# KiCad board B3_panel.kicad_pcb (continued)
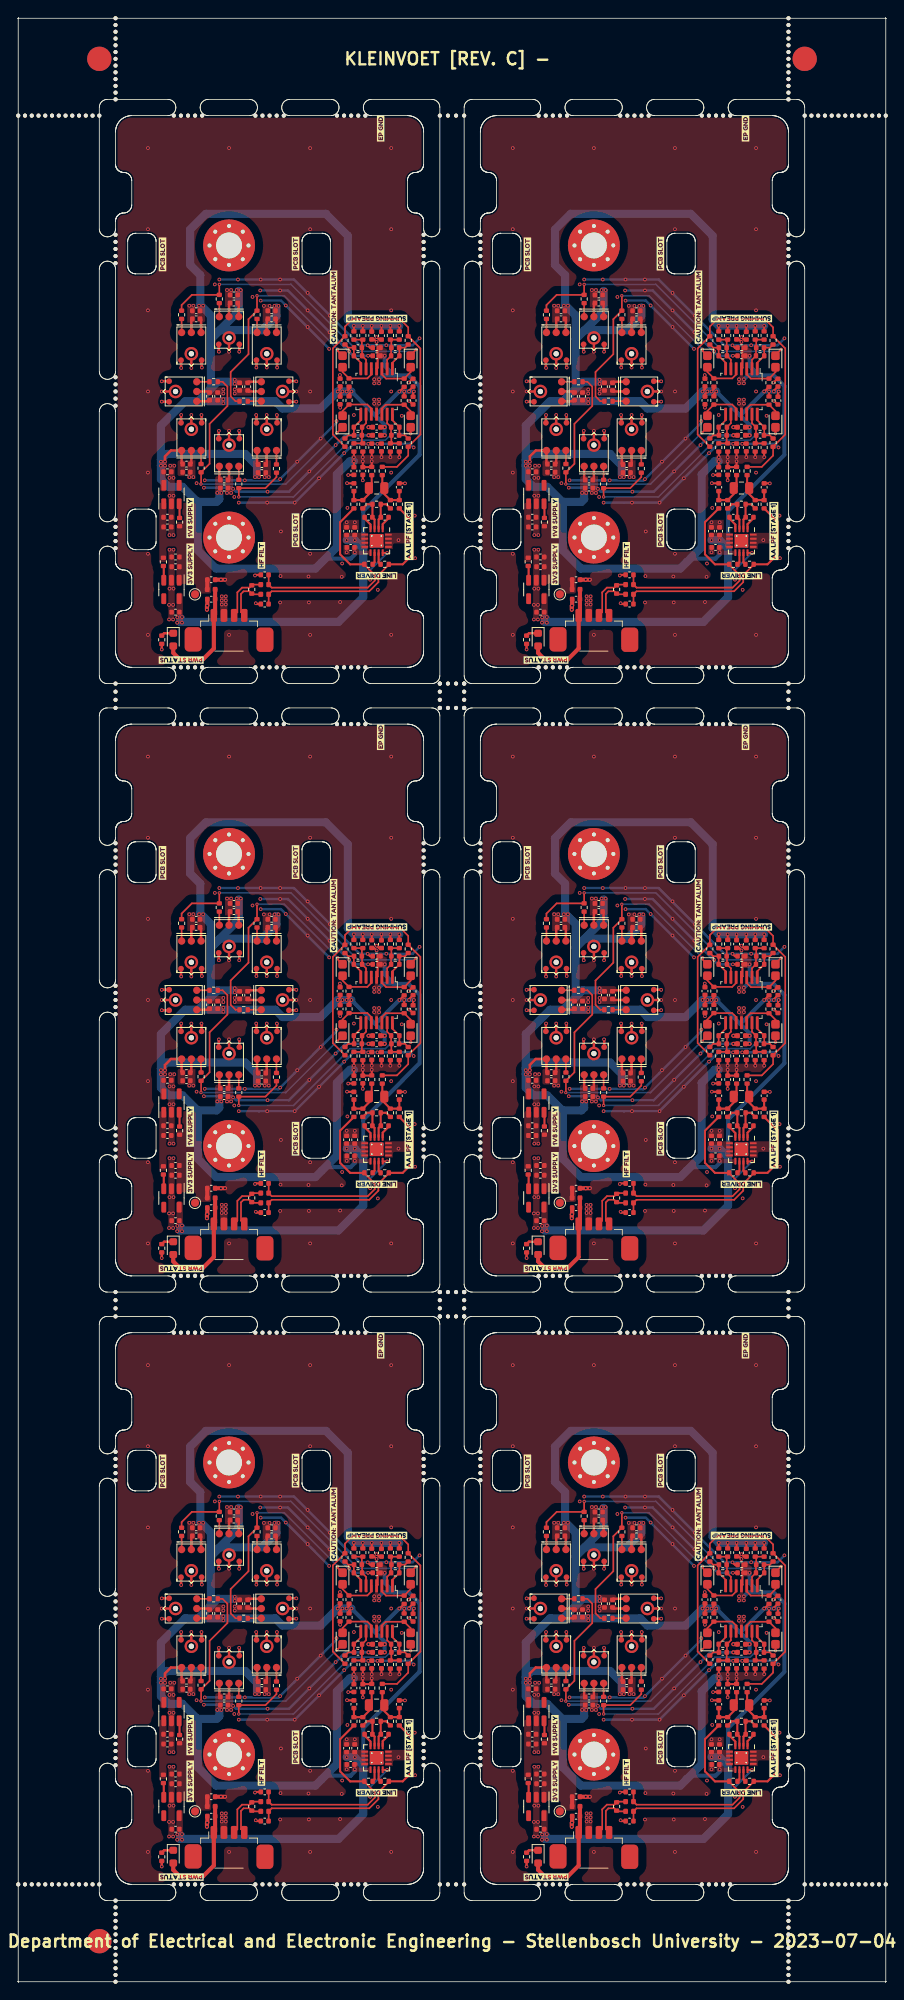
[diagram p0: board, top side]
## Routing (per net, layer and track width the routed paths; a pad name or vN(x,y) marks a point on that pad's centre or on a via; arc(x,y) is an arc through that point) (continued)
  Top w0.2: U1601#4.8 87.25,42.46 R1634#4.2 86.39,40.63 C1612#6.1 85.69,40.6 R1635#3.2
Board3_5-/Sensor_board/Buffer/PREAMP_D_FB: length 5
  Top w0.2: R1627#6.1 R1626#6.1 91.02,39.73 C1611#2.2 90.99,40.63 R1629#5.1 90.5,42.09 U1601#4.13
Board3_5-/Sensor_board/Buffer/PREAMP_D_OUT: length 4.3
  Top w0.2: R1630#4.2 92.71,40.6 C1611#2.1 92.01,40.63 R1629#5.2 91.15,42.46 U1601#4.14
Board3_5-/Sensor_board/Buffer/SENS_ARRAY_A: length 5.4
  Top w0.2: U1601#4.3 89.85,48.1 90.36,47.59 R1621#3.2 93.4,48.39 C1608#2.2
Board3_5-/Sensor_board/Buffer/SENS_ARRAY_B: length 5.4
  Top w0.2: U1601#4.5 88.55,48.1 88.06,47.61 R1622.2 85,48.41 C1614#3.2
Board3_5-/Sensor_board/Buffer/SENS_ARRAY_C: length 5.4
  Top w0.2: U1601#4.10 88.55,43.9 88.06,44.39 R1633#2.2 85,43.59 C1609.2
Board3_5-/Sensor_board/Buffer/SENS_ARRAY_D: length 5.3
  Top w0.2: U1601#4.12 89.85,43.9 90.32,44.37 R1628.2 93.4,43.57 C1613#3.2
Board3_5-/Sensor_board/Preamplifier/FB: length 1.7
  Top w0.25: C1603.1 87.72,30.33 88.45,29.6 U1701#4.4
Board3_5-/Sensor_board/Preamplifier/FDA_IN: length 4.6
  Top w0.25: R1604#6.1 90.39,32.1 C1602#5.2 89.71,30.51 C1604#3.2 89.45,30.23 U1701#4.2
Board3_5-/Sensor_board/Preamplifier/FDA_~{IN}: length 4.6
  Top w0.25: U1701#4.3 88.95,30.23 C1603.2 88.69,30.51 C1602#5.1 88.01,32.1 R1603.1
Board3_5-/Sensor_board/Preamplifier/OUT: length 1.5
  Top w0.25: R1607#2.2 88.95,24.94 U1701#4.10
Board3_5-/Sensor_board/Preamplifier/SIG_N: length 27.8
  Top w0.2: R1608#4.1 90.71,24.65 89.43,23.37 89.43,22.51 88.29,21.37 76.26,21.37 75.88,21 75.88,19.81 C1102#5.2
  Top w0.25: R1606#4.1 93.66,29.93 93.66,25.94 92.42,24.7 90.78,24.7
Board3_5-/Sensor_board/Preamplifier/SIG_P: length 27.1
  Top w0.2: R1607#2.1 87.69,24.65 88.97,23.37 88.97,22.69 88.11,21.83 76.26,21.83 75.88,22.2 75.88,23.4 C1101#2.1
  Top w0.25: 87.57,24.69 85.94,24.69 84.7,25.93 84.7,29.89 R1605.1
Board3_5-/Sensor_board/Preamplifier/~{FB}: length 1.7
  Top w0.25: C1604#3.1 90.68,30.38 89.95,29.65 U1701#4.1
Board3_5-/Sensor_board/Preamplifier/~{OUT}: length 1.5
  Top w0.25: U1701#4.11 89.45,24.94 R1608#4.2
Board3_5-/Sensor_board/Sensor_Conn_3/SIG_CONN_N: length 5.5
  Top w0.2: FB1102#6.1 73.89,21 R1101.2 73.52,21.37 72.79,21.37 72.47,21.06 72.47,18.8 J1101#4.1
Board3_5-/Sensor_board/Sensor_Conn_3/SIG_CONN_P: length 6.3
  Top w0.2: FB1101#5.1 73.89,22.2 R1101.1 73.52,21.83 72.61,21.83 72.03,21.24 72.03,18.8 J1101#4.2
Board3_5-/Sensor_board/SUM_OUT_P: length 45.6
  Top w0.2: R1635#3.1 83.8,40.69 83.8,51.31 R1625#5.1 85.3,54 86.2,54.9 92.1,54.9 93.1,53.9 R1623#6.1 94.6,51.31 94.6,40.69 R1630#4.1 93.1,38.1 91.71,36.71 89.8,36.71
Board3_5-GND_SENSOR: length 175.3
  Top w0.25: C1607#2.1 92.69,34.68 v1(92.7,34.68) ; v1(89.2,52.1) 88.88,52.42 CB1609#3.2 ; v1(85.7,35.7) 85.72,35.72 C1009#3.2 ; CB1606#3.2 93.61,47.56 v1(93.15,47.1) ; v1(84.68,48.03) 84.7,48 CB1605#4.2 ; v1(88.17,39.55) 88.2,39.58 CB1608#3.2 ; CB1502#6.2 v1(88.15,50.4) ; v1(85.55,34.7) 85.57,34.68 C1606.1 ; v1(89.3,39.55) 89.33,39.58 CB1607#2.2 ; v1(74.2,23.32) 74.28,23.4 C1101#2.2 ; C1102#5.1 74.4,19.8 v1(74.3,19.9) ; v1(93.24,44.82) 93.66,44.4 CB1603#4.2 ; CB1604#4.2 84.7,44 v1(84.7,44) ; C1504.2 88.39,51.4 v1(88.1,51.69) ; CB1610.2 89.5,52.4 v1(89.2,52.7) ; CB1003#6.2 v1(87.5,35.05)
  Top w0.3: v1(72.25,50.9) 72.27,50.92 MK1402#5.4 ; MK1402#5.2 69.73,50.92 v1(69.75,50.9) ; MK1405#6.6 75.65,37.12 CB1401.2 ; CB1407#6.2 73.42,46 MK1403#3.6 ; MK1405#6.3 v1(75.65,43.1) ; MK1408.3 v1(75.65,48.95) ; v1(74.35,43.1) 74.38,43.07 MK1405#6.4 ; v1(62.7,44.75) 62.72,44.73 MK1404#5.4 ; v1(69.75,41.15) 69.73,41.13 MK1401#6.4 ; CB1405#3.2 71,35.22 MK1401#6.6 ; MK1407.2 67.62,43.08 v1(67.6,43.1) ; MK1404#5.6 68.48,46 CB1408#6.2 ; CB1406.2 75.65,54.83 MK1408.6 ; MK1402#5.6 71,56.78 CB1404#6.2 ; MK1407.6 66.35,37.17 C1506#5.2 ; MK1408.2 74.38,48.96 v1(74.38,48.95) ; MK1403#3.3 v1(79.3,46) ; R1002#3.2 v1(62.7,14.2) ; v1(65.1,48.9) 65.08,48.92 MK1406#2.2 ; v1(67.65,48.95) 67.62,48.98 MK1406#2.4 ; MK1406#2.3 v1(66.35,48.9) ; v1(76.93,48.95) 76.92,48.96 MK1408.4 ; v1(65.1,43.1) 65.08,43.08 MK1407.4 ; MK1404#5.2 62.72,47.27 v1(62.7,47.25) ; MK1403#3.4 79.28,47.27 v1(79.3,47.25) ; MK1401#6.3 v1(71,41.15) ; v1(72.25,41.15) 72.27,41.13 MK1401#6.2 ; CB1402#4.2 66.35,54.83 MK1406#2.6 ; MK1402#5.3 v1(71,50.9) ; MK1404#5.3 v1(62.7,46) ; MK1403#3.2 79.28,44.73 v1(79.3,44.75) ; MK1405#6.2 76.92,43.08 v1(76.9,43.1) ; MK1407.3 v1(66.35,43.1)
  Top w0.5: C1003#5.2 68.32,19.62 v1(68.3,19.6) 68.28,19.57 v1(68.28,19.1) ; C1008#3.2 v1(88.2,40.6) ; C1005#3.2 v1(70,22.8) v1(70.5,22.8) ; C1004#5.2 v1(88.2,41.6)
  Bottom w0.2: 73.9,35 76.2,35
  Bottom w0.3: v1(94.5,52.55) 93.64,51.69 90.41,51.69 v1(90.4,51.7) 90.39,51.69 v1(88.1,51.69) 88.09,51.7 87.1,51.7 v1(83.45,55.35) 80.7,58.1 v1(80.7,58.15) 80.65,58.15 79,59.8 v1(77.3,59.8) v1(74.9,59.8) v1(72.1,59.8) v1(69.8,59.8) ; v1(72.2,32.3) v1(79.1,32.3) v1(82.1,35.3) v1(85.2,38.4) 86.35,39.55 v1(88.17,39.55) 93.32,39.55 v1(93.77,39.1) ; v1(84.25,42.35) 84.25,42.15 v1(82.3,40.2) 79.45,37.35 v1(79.4,37.35) 79.4,37.3 v1(77.3,35.2) 77.1,35 76.2,35 ; v1(83.35,51.25) 83.35,51.25 80.7,53.9 v1(80.7,53.95) 80.65,53.95 v1(78,56.6) 77.4,57.2 74.9,57.2 v1(74.9,57.2) ; v1(68,35.05) v1(72.95,35.05) 73.85,35.05 ; v1(88.2,40.6) 85.35,40.6 v1(84.15,39.4) v1(80.9,36.15) 78.4,33.65 v1(75.75,33.65) 71.85,33.65 v1(71.5,34) 71.35,34.15 70.12,34.15 70.12,34.15 69.48,34.15 69.48,34.15 67.91,34.15 v1(67.9,34.14) ; v1(74.85,58.45) v1(77.3,58.45) 78.25,58.45 v1(80.7,56) v1(83.4,53.3) 85.75,50.95 v1(85.82,50.95) 85.82,50.88 86.3,50.4 v1(88.15,50.4)
  vias: v1(61,76) v1(61,66) v1(61,56) v1(61,46) v1(61,36) v1(61,26) v1(61,16) v1(63.6,19.7) v1(63.6,17.9) v1(63.75,36.85) v1(63.65,35.35) v1(63.65,33.15) v1(63.65,28.3) v1(63.65,26.5) v1(63.65,21.7) v1(64.1,19.7) v1(64.1,17.9) v1(64.15,35.35) v1(64.15,33.15) v1(64.15,28.3) v1(64.15,26.5) v1(64.15,21.7) v1(64.25,36.85) v1(66.1,56.57) v1(66.1,35.45) v1(66.6,56.57) v1(66.6,35.45) v1(67,34.7) v1(69.25,59.2) v1(70.1,20.75) v1(70.1,20.25) v1(70.1,19.75) v1(70.3,46.25) v1(70.3,45.75) v1(70.6,20.75) v1(70.6,20.25) v1(70.6,19.75) v1(70.75,58.5) v1(70.75,33.5) v1(71,76) v1(71,16) v1(71.25,58.5) v1(71.25,33.5) v1(71.65,33) v1(71.7,46.25) v1(71.7,45.75) v1(73.9,57.65) v1(75.3,56.55) v1(75.4,35.45) v1(75.7,32.3) v1(75.9,35.45) v1(76,56.55) v1(77.35,23.25) v1(77.3,20) v1(77.4,28.75) v1(80.8,23.2) v1(80.85,20) v1(81,76) v1(81,66) v1(81,46) v1(81,26) v1(81,16) v1(84.7,20.05) v1(84.95,24.8) v1(84.9,23.15) v1(85.51,29.88) v1(85.51,26.18) v1(85.6,31.65) v1(86.4,43.1) v1(86.51,29.88) v1(88.4,22.8) v1(88.9,45) v1(88.9,44.5) v1(89.35,21.55) v1(89.5,45) v1(89.5,44.5) v1(91,76) v1(91,66) v1(91,56) v1(91,46) v1(91,36) v1(91,16) v1(91.9,27.68) v1(92.3,43) v1(92.9,27.68) v1(93.9,30.7) v1(93.95,25.45)
Board3_5-Net-(C1601-Pad1): length 5.7
  Top w0.25: C1606.2 R1605.2 R1603.2 88.43,33.53 88.43,34.1 88.6,34.28 R1601#6.1
Board3_5-Net-(C1601-Pad2): length 5.7
  Top w0.25: R1602.1 89.9,34.18 89.97,34.1 89.97,33.53 R1604#6.2 R1606#4.2 C1607#2.2
Board3_5-Net-(D1001-K): length 1.5
  Top w0.3: R1002#3.1 63,16.21 D1001#6.1
Board3_5-Net-(U1001-EN): length 1.8
  Top w0.25: U1001.3 64.9,32.11 R1001#5.2
Board3_5-Net-(U1002-EN): length 1.8
  Top w0.25: R1003#3.2 62.95,24.44 U1002#3.3
Board3_5-VCC_SENSOR: length 14.1
  Top w0.5: 69.28,21.6 69.28,21.59 C1003#5.1 69.28,18.56 J1101#4.4 69.12,14.32 67.8,13 64.9,13 64.12,13.78 D1001#6.2

## Copper pours and planes (outline as drawn; the poured copper is in the pictures)
Board3_0-/Sensor_board/VCC_FILT on Top: 21.9,172.3 21.9,171.1 23.8,171.1 23.9,178.6 21.9,178.6 21.9,182.3 17.4,182.3 17.4,172.3
Board3_1-/Sensor_board/VCC_FILT on Top: 66.9,172.3 66.9,171.1 68.8,171.1 68.9,178.6 66.9,178.6 66.9,182.3 62.4,182.3 62.4,172.3
Board3_2-/Sensor_board/VCC_FILT on Top: 21.9,97.3 21.9,96.1 23.8,96.1 23.9,103.6 21.9,103.6 21.9,107.3 17.4,107.3 17.4,97.3
Board3_3-/Sensor_board/VCC_FILT on Top: 66.9,97.3 66.9,96.1 68.8,96.1 68.9,103.6 66.9,103.6 66.9,107.3 62.4,107.3 62.4,97.3
Board3_4-/Sensor_board/VCC_FILT on Top: 21.9,22.3 21.9,21.1 23.8,21.1 23.9,28.6 21.9,28.6 21.9,32.3 17.4,32.3 17.4,22.3
Board3_5-/Sensor_board/VCC_FILT on Top: 66.9,22.3 66.9,21.1 68.8,21.1 68.9,28.6 66.9,28.6 66.9,32.3 62.4,32.3 62.4,22.3
Board3_0-+1V8 on Top: 28.77,196.7 28.77,197.7 26.47,197.7 26.47,196.7
Board3_0-+1V8 on Top: 43.61,176.38 41.91,176.38 41.91,177.08 41.11,177.08 41.11,175.88 43.61,175.88
Board3_0-+1V8 on Top: 29.95,187.52 28.95,187.52 28.95,185.22 29.95,185.22
Board3_0-+1V8 on Top: 23.23,195.3 23.23,194.3 25.53,194.3 25.53,195.3
Board3_0-+1V8 on Top: 22.05,204.5 23.05,204.5 23.05,206.8 22.05,206.8
Board3_0-+1V8 on Top: 20.65,187.52 19.65,187.52 19.65,185.57 20.65,185.57
Board3_0-+1V8 on Top: 25.3,185.57 24.3,185.57 24.3,183.27 25.3,183.27
Board3_0-+1V8 on Top: 31.35,204.48 32.35,204.48 32.35,206.78 31.35,206.78
Board3_0-+1V8 on Top: 26.7,206.43 27.7,206.43 27.7,208.73 26.7,208.73
Board3_0-+1V8 on Top: 17.5,183.7 18.3,183.7 18.3,187.55 17.5,187.55
Board3_0-+1V8 on Top, Bottom: 41,187.1 41,188.15 47.3,188.15 47.3,187.1
Board3_0-+1V8 on Top, Bottom: 47.4,204.35 47.4,203.85 41.1,203.85 41.1,204.35
Board3_0-+3.3V_SENSOR on Top: 20.3,171.2 19.5,171.2 19.5,167.4 20.3,167.4
Board3_0-+3.3V_SENSOR on Top: 44.4,198.9 44.4,198.2 44.7,197.7 44.7,196.8 43.7,196.8 43.7,197.7 44,198.2 44,198.9
Board3_0-+3.3V_SENSOR on Top: 44.2,199.95 45.45,199.95 45.45,201.85 44.2,201.85
Board3_0-+3.3V_SENSOR on Top: 43.21,176.58 42.21,176.58 42.21,177.28 40.01,177.28 40.01,178.58 43.21,178.58
Board3_0-GND_SENSOR on Top: 30.15,187.52 30.15,185.22 31.15,185.22 31.15,187.52
Board3_0-GND_SENSOR on Top: 28.77,196.5 26.47,196.5 26.47,195.5 28.77,195.5
Board3_0-GND_SENSOR on Top: 19.3,187.1 18.5,187.1 18.5,178.1 19.3,178.1
Board3_0-GND_SENSOR on Top: 18.5,167.7 19.3,167.7 19.3,176.7 18.5,176.7
Board3_0-GND_SENSOR on Top: 21.85,204.5 21.85,206.8 20.85,206.8 20.85,204.5
Board3_0-GND_SENSOR on Top: 25.5,185.57 25.5,183.27 26.5,183.27 26.5,185.57
Board3_0-GND_SENSOR on Top: 45.2,176.58 46.2,176.58 46.2,177.28 48.4,177.28 48.4,178.58 45.2,178.58
Board3_0-GND_SENSOR on Top: 24.9,167.8 24.9,170.95 25.8,170.95 25.8,167.8
Board3_0-GND_SENSOR on Top: 20.85,187.52 20.85,185.22 21.85,185.22 21.85,187.52
Board3_0-GND_SENSOR on Top: 44,193.1 44,193.8 43.7,194.3 43.7,195.2 44.7,195.2 44.7,194.3 44.4,193.8 44.4,193.1
Board3_0-GND_SENSOR on Top: 31.15,204.48 31.15,206.78 30.15,206.78 30.15,204.48
Board3_0-GND_SENSOR on Top: 23.23,195.5 25.53,195.5 25.53,196.5 23.23,196.5
Board3_0-GND_SENSOR on Top: 26.5,206.43 26.5,208.73 25.5,208.73 25.5,206.43
Board3_0-GND_SENSOR on Top: 40.01,180.18 42.01,180.18 42.01,178.98 40.01,178.98
Board3_0-GND_SENSOR on Top, Bottom: 50,162 50,230 12,230 12,162
Board3_0-GND_SENSOR on In1.Cu, In2.Cu: 50,230 50,162 12,162 12,230
Board3_1-+1V8 on Top: 68.23,195.3 68.23,194.3 70.53,194.3 70.53,195.3
Board3_1-+1V8 on Top: 76.35,204.48 77.35,204.48 77.35,206.78 76.35,206.78
Board3_1-+1V8 on Top: 74.95,187.52 73.95,187.52 73.95,185.22 74.95,185.22
Board3_1-+1V8 on Top: 73.77,196.7 73.77,197.7 71.47,197.7 71.47,196.7
Board3_1-+1V8 on Top: 70.3,185.57 69.3,185.57 69.3,183.27 70.3,183.27
Board3_1-+1V8 on Top: 88.61,176.38 86.91,176.38 86.91,177.08 86.11,177.08 86.11,175.88 88.61,175.88
Board3_1-+1V8 on Top: 65.65,187.52 64.65,187.52 64.65,185.57 65.65,185.57
Board3_1-+1V8 on Top: 62.5,183.7 63.3,183.7 63.3,187.55 62.5,187.55
Board3_1-+1V8 on Top: 67.05,204.5 68.05,204.5 68.05,206.8 67.05,206.8
Board3_1-+1V8 on Top: 71.7,206.43 72.7,206.43 72.7,208.73 71.7,208.73
Board3_1-+1V8 on Top, Bottom: 86,187.1 86,188.15 92.3,188.15 92.3,187.1
Board3_1-+1V8 on Top, Bottom: 92.4,204.35 92.4,203.85 86.1,203.85 86.1,204.35
Board3_1-+3.3V_SENSOR on Top: 89.2,199.95 90.45,199.95 90.45,201.85 89.2,201.85
Board3_1-+3.3V_SENSOR on Top: 89.4,198.9 89.4,198.2 89.7,197.7 89.7,196.8 88.7,196.8 88.7,197.7 89,198.2 89,198.9
Board3_1-+3.3V_SENSOR on Top: 65.3,171.2 64.5,171.2 64.5,167.4 65.3,167.4
Board3_1-+3.3V_SENSOR on Top: 88.21,176.58 87.21,176.58 87.21,177.28 85.01,177.28 85.01,178.58 88.21,178.58
Board3_1-GND_SENSOR on Top: 85.01,180.18 87.01,180.18 87.01,178.98 85.01,178.98
Board3_1-GND_SENSOR on Top: 73.77,196.5 71.47,196.5 71.47,195.5 73.77,195.5
Board3_1-GND_SENSOR on Top: 65.85,187.52 65.85,185.22 66.85,185.22 66.85,187.52
Board3_1-GND_SENSOR on Top: 76.15,204.48 76.15,206.78 75.15,206.78 75.15,204.48
Board3_1-GND_SENSOR on Top: 71.5,206.43 71.5,208.73 70.5,208.73 70.5,206.43
Board3_1-GND_SENSOR on Top: 63.5,167.7 64.3,167.7 64.3,176.7 63.5,176.7
Board3_1-GND_SENSOR on Top: 69.9,167.8 69.9,170.95 70.8,170.95 70.8,167.8
Board3_1-GND_SENSOR on Top: 66.85,204.5 66.85,206.8 65.85,206.8 65.85,204.5
Board3_1-GND_SENSOR on Top: 75.15,187.52 75.15,185.22 76.15,185.22 76.15,187.52
Board3_1-GND_SENSOR on Top: 68.23,195.5 70.53,195.5 70.53,196.5 68.23,196.5
Board3_1-GND_SENSOR on Top: 64.3,187.1 63.5,187.1 63.5,178.1 64.3,178.1
Board3_1-GND_SENSOR on Top: 90.2,176.58 91.2,176.58 91.2,177.28 93.4,177.28 93.4,178.58 90.2,178.58
Board3_1-GND_SENSOR on Top: 89,193.1 89,193.8 88.7,194.3 88.7,195.2 89.7,195.2 89.7,194.3 89.4,193.8 89.4,193.1
Board3_1-GND_SENSOR on Top: 70.5,185.57 70.5,183.27 71.5,183.27 71.5,185.57
Board3_1-GND_SENSOR on Top, Bottom: 95,162 95,230 57,230 57,162
Board3_1-GND_SENSOR on In1.Cu, In2.Cu: 95,230 95,162 57,162 57,230
Board3_2-+1V8 on Top: 22.05,129.5 23.05,129.5 23.05,131.8 22.05,131.8
Board3_2-+1V8 on Top: 29.95,112.52 28.95,112.52 28.95,110.22 29.95,110.22
Board3_2-+1V8 on Top: 25.3,110.57 24.3,110.57 24.3,108.27 25.3,108.27
Board3_2-+1V8 on Top: 17.5,108.7 18.3,108.7 18.3,112.55 17.5,112.55
Board3_2-+1V8 on Top: 43.61,101.38 41.91,101.38 41.91,102.08 41.11,102.08 41.11,100.88 43.61,100.88
Board3_2-+1V8 on Top: 23.23,120.3 23.23,119.3 25.53,119.3 25.53,120.3
Board3_2-+1V8 on Top: 31.35,129.48 32.35,129.48 32.35,131.78 31.35,131.78
Board3_2-+1V8 on Top: 28.77,121.7 28.77,122.7 26.47,122.7 26.47,121.7
Board3_2-+1V8 on Top: 20.65,112.52 19.65,112.52 19.65,110.57 20.65,110.57
Board3_2-+1V8 on Top: 26.7,131.43 27.7,131.43 27.7,133.73 26.7,133.73
Board3_2-+1V8 on Top, Bottom: 41,112.1 41,113.15 47.3,113.15 47.3,112.1
Board3_2-+1V8 on Top, Bottom: 47.4,129.35 47.4,128.85 41.1,128.85 41.1,129.35
Board3_2-+3.3V_SENSOR on Top: 20.3,96.2 19.5,96.2 19.5,92.4 20.3,92.4
Board3_2-+3.3V_SENSOR on Top: 43.21,101.58 42.21,101.58 42.21,102.28 40.01,102.28 40.01,103.58 43.21,103.58
Board3_2-+3.3V_SENSOR on Top: 44.2,124.95 45.45,124.95 45.45,126.85 44.2,126.85
Board3_2-+3.3V_SENSOR on Top: 44.4,123.9 44.4,123.2 44.7,122.7 44.7,121.8 43.7,121.8 43.7,122.7 44,123.2 44,123.9
Board3_2-GND_SENSOR on Top: 40.01,105.18 42.01,105.18 42.01,103.98 40.01,103.98
Board3_2-GND_SENSOR on Top: 24.9,92.8 24.9,95.95 25.8,95.95 25.8,92.8
Board3_2-GND_SENSOR on Top: 18.5,92.7 19.3,92.7 19.3,101.7 18.5,101.7
Board3_2-GND_SENSOR on Top: 45.2,101.58 46.2,101.58 46.2,102.28 48.4,102.28 48.4,103.58 45.2,103.58
Board3_2-GND_SENSOR on Top: 28.77,121.5 26.47,121.5 26.47,120.5 28.77,120.5
Board3_2-GND_SENSOR on Top: 20.85,112.52 20.85,110.22 21.85,110.22 21.85,112.52
Board3_2-GND_SENSOR on Top: 31.15,129.48 31.15,131.78 30.15,131.78 30.15,129.48
Board3_2-GND_SENSOR on Top: 26.5,131.43 26.5,133.73 25.5,133.73 25.5,131.43
Board3_2-GND_SENSOR on Top: 23.23,120.5 25.53,120.5 25.53,121.5 23.23,121.5
Board3_2-GND_SENSOR on Top: 19.3,112.1 18.5,112.1 18.5,103.1 19.3,103.1
Board3_2-GND_SENSOR on Top: 30.15,112.52 30.15,110.22 31.15,110.22 31.15,112.52
Board3_2-GND_SENSOR on Top: 25.5,110.57 25.5,108.27 26.5,108.27 26.5,110.57
Board3_2-GND_SENSOR on Top: 44,118.1 44,118.8 43.7,119.3 43.7,120.2 44.7,120.2 44.7,119.3 44.4,118.8 44.4,118.1
Board3_2-GND_SENSOR on Top: 21.85,129.5 21.85,131.8 20.85,131.8 20.85,129.5
Board3_2-GND_SENSOR on Top, Bottom: 50,87 50,155 12,155 12,87
Board3_2-GND_SENSOR on In1.Cu, In2.Cu: 50,155 50,87 12,87 12,155
Board3_3-+1V8 on Top: 62.5,108.7 63.3,108.7 63.3,112.55 62.5,112.55
Board3_3-+1V8 on Top: 68.23,120.3 68.23,119.3 70.53,119.3 70.53,120.3
Board3_3-+1V8 on Top: 71.7,131.43 72.7,131.43 72.7,133.73 71.7,133.73
Board3_3-+1V8 on Top: 73.77,121.7 73.77,122.7 71.47,122.7 71.47,121.7
Board3_3-+1V8 on Top: 70.3,110.57 69.3,110.57 69.3,108.27 70.3,108.27
Board3_3-+1V8 on Top: 67.05,129.5 68.05,129.5 68.05,131.8 67.05,131.8
Board3_3-+1V8 on Top: 65.65,112.52 64.65,112.52 64.65,110.57 65.65,110.57
Board3_3-+1V8 on Top: 74.95,112.52 73.95,112.52 73.95,110.22 74.95,110.22
Board3_3-+1V8 on Top: 76.35,129.48 77.35,129.48 77.35,131.78 76.35,131.78
Board3_3-+1V8 on Top: 88.61,101.38 86.91,101.38 86.91,102.08 86.11,102.08 86.11,100.88 88.61,100.88
Board3_3-+1V8 on Top, Bottom: 86,112.1 86,113.15 92.3,113.15 92.3,112.1
Board3_3-+1V8 on Top, Bottom: 92.4,129.35 92.4,128.85 86.1,128.85 86.1,129.35
Board3_3-+3.3V_SENSOR on Top: 89.2,124.95 90.45,124.95 90.45,126.85 89.2,126.85
Board3_3-+3.3V_SENSOR on Top: 65.3,96.2 64.5,96.2 64.5,92.4 65.3,92.4
Board3_3-+3.3V_SENSOR on Top: 88.21,101.58 87.21,101.58 87.21,102.28 85.01,102.28 85.01,103.58 88.21,103.58
Board3_3-+3.3V_SENSOR on Top: 89.4,123.9 89.4,123.2 89.7,122.7 89.7,121.8 88.7,121.8 88.7,122.7 89,123.2 89,123.9
Board3_3-GND_SENSOR on Top: 85.01,105.18 87.01,105.18 87.01,103.98 85.01,103.98
Board3_3-GND_SENSOR on Top: 90.2,101.58 91.2,101.58 91.2,102.28 93.4,102.28 93.4,103.58 90.2,103.58
Board3_3-GND_SENSOR on Top: 76.15,129.48 76.15,131.78 75.15,131.78 75.15,129.48
Board3_3-GND_SENSOR on Top: 65.85,112.52 65.85,110.22 66.85,110.22 66.85,112.52
Board3_3-GND_SENSOR on Top: 64.3,112.1 63.5,112.1 63.5,103.1 64.3,103.1
Board3_3-GND_SENSOR on Top: 63.5,92.7 64.3,92.7 64.3,101.7 63.5,101.7
Board3_3-GND_SENSOR on Top: 66.85,129.5 66.85,131.8 65.85,131.8 65.85,129.5
Board3_3-GND_SENSOR on Top: 70.5,110.57 70.5,108.27 71.5,108.27 71.5,110.57
Board3_3-GND_SENSOR on Top: 89,118.1 89,118.8 88.7,119.3 88.7,120.2 89.7,120.2 89.7,119.3 89.4,118.8 89.4,118.1
Board3_3-GND_SENSOR on Top: 68.23,120.5 70.53,120.5 70.53,121.5 68.23,121.5
Board3_3-GND_SENSOR on Top: 75.15,112.52 75.15,110.22 76.15,110.22 76.15,112.52
Board3_3-GND_SENSOR on Top: 69.9,92.8 69.9,95.95 70.8,95.95 70.8,92.8
Board3_3-GND_SENSOR on Top: 71.5,131.43 71.5,133.73 70.5,133.73 70.5,131.43
Board3_3-GND_SENSOR on Top: 73.77,121.5 71.47,121.5 71.47,120.5 73.77,120.5
Board3_3-GND_SENSOR on Top, Bottom: 95,87 95,155 57,155 57,87
Board3_3-GND_SENSOR on In1.Cu, In2.Cu: 95,155 95,87 57,87 57,155
Board3_4-+1V8 on Top: 20.65,37.52 19.65,37.52 19.65,35.57 20.65,35.57
Board3_4-+1V8 on Top: 43.61,26.38 41.91,26.38 41.91,27.08 41.11,27.08 41.11,25.88 43.61,25.88
Board3_4-+1V8 on Top: 25.3,35.57 24.3,35.57 24.3,33.27 25.3,33.27
Board3_4-+1V8 on Top: 31.35,54.48 32.35,54.48 32.35,56.78 31.35,56.78
Board3_4-+1V8 on Top: 17.5,33.7 18.3,33.7 18.3,37.55 17.5,37.55
Board3_4-+1V8 on Top: 28.77,46.7 28.77,47.7 26.47,47.7 26.47,46.7
Board3_4-+1V8 on Top: 26.7,56.43 27.7,56.43 27.7,58.73 26.7,58.73
Board3_4-+1V8 on Top: 23.23,45.3 23.23,44.3 25.53,44.3 25.53,45.3
Board3_4-+1V8 on Top: 22.05,54.5 23.05,54.5 23.05,56.8 22.05,56.8
Board3_4-+1V8 on Top: 29.95,37.52 28.95,37.52 28.95,35.22 29.95,35.22
Board3_4-+1V8 on Top, Bottom: 47.4,54.35 47.4,53.85 41.1,53.85 41.1,54.35
Board3_4-+1V8 on Top, Bottom: 41,37.1 41,38.15 47.3,38.15 47.3,37.1
Board3_4-+3.3V_SENSOR on Top: 43.21,26.58 42.21,26.58 42.21,27.28 40.01,27.28 40.01,28.58 43.21,28.58
Board3_4-+3.3V_SENSOR on Top: 44.4,48.9 44.4,48.2 44.7,47.7 44.7,46.8 43.7,46.8 43.7,47.7 44,48.2 44,48.9
Board3_4-+3.3V_SENSOR on Top: 44.2,49.95 45.45,49.95 45.45,51.85 44.2,51.85
Board3_4-+3.3V_SENSOR on Top: 20.3,21.2 19.5,21.2 19.5,17.4 20.3,17.4
Board3_4-GND_SENSOR on Top: 23.23,45.5 25.53,45.5 25.53,46.5 23.23,46.5
Board3_4-GND_SENSOR on Top: 19.3,37.1 18.5,37.1 18.5,28.1 19.3,28.1
Board3_4-GND_SENSOR on Top: 26.5,56.43 26.5,58.73 25.5,58.73 25.5,56.43
Board3_4-GND_SENSOR on Top: 18.5,17.7 19.3,17.7 19.3,26.7 18.5,26.7
Board3_4-GND_SENSOR on Top: 45.2,26.58 46.2,26.58 46.2,27.28 48.4,27.28 48.4,28.58 45.2,28.58
Board3_4-GND_SENSOR on Top: 25.5,35.57 25.5,33.27 26.5,33.27 26.5,35.57
Board3_4-GND_SENSOR on Top: 30.15,37.52 30.15,35.22 31.15,35.22 31.15,37.52
Board3_4-GND_SENSOR on Top: 44,43.1 44,43.8 43.7,44.3 43.7,45.2 44.7,45.2 44.7,44.3 44.4,43.8 44.4,43.1
Board3_4-GND_SENSOR on Top: 40.01,30.18 42.01,30.18 42.01,28.98 40.01,28.98
Board3_4-GND_SENSOR on Top: 31.15,54.48 31.15,56.78 30.15,56.78 30.15,54.48
Board3_4-GND_SENSOR on Top: 21.85,54.5 21.85,56.8 20.85,56.8 20.85,54.5
Board3_4-GND_SENSOR on Top: 20.85,37.52 20.85,35.22 21.85,35.22 21.85,37.52
Board3_4-GND_SENSOR on Top: 28.77,46.5 26.47,46.5 26.47,45.5 28.77,45.5
Board3_4-GND_SENSOR on Top: 24.9,17.8 24.9,20.95 25.8,20.95 25.8,17.8
Board3_4-GND_SENSOR on Top, Bottom: 50,12 50,80 12,80 12,12
Board3_4-GND_SENSOR on In1.Cu, In2.Cu: 50,80 50,12 12,12 12,80
Board3_5-+1V8 on Top: 67.05,54.5 68.05,54.5 68.05,56.8 67.05,56.8
Board3_5-+1V8 on Top: 68.23,45.3 68.23,44.3 70.53,44.3 70.53,45.3
Board3_5-+1V8 on Top: 74.95,37.52 73.95,37.52 73.95,35.22 74.95,35.22
Board3_5-+1V8 on Top: 65.65,37.52 64.65,37.52 64.65,35.57 65.65,35.57
Board3_5-+1V8 on Top: 88.61,26.38 86.91,26.38 86.91,27.08 86.11,27.08 86.11,25.88 88.61,25.88
Board3_5-+1V8 on Top: 76.35,54.48 77.35,54.48 77.35,56.78 76.35,56.78
Board3_5-+1V8 on Top: 73.77,46.7 73.77,47.7 71.47,47.7 71.47,46.7
Board3_5-+1V8 on Top: 70.3,35.57 69.3,35.57 69.3,33.27 70.3,33.27
Board3_5-+1V8 on Top: 62.5,33.7 63.3,33.7 63.3,37.55 62.5,37.55
Board3_5-+1V8 on Top: 71.7,56.43 72.7,56.43 72.7,58.73 71.7,58.73
Board3_5-+1V8 on Top, Bottom: 92.4,54.35 92.4,53.85 86.1,53.85 86.1,54.35
Board3_5-+1V8 on Top, Bottom: 86,37.1 86,38.15 92.3,38.15 92.3,37.1
Board3_5-+3.3V_SENSOR on Top: 89.4,48.9 89.4,48.2 89.7,47.7 89.7,46.8 88.7,46.8 88.7,47.7 89,48.2 89,48.9
Board3_5-+3.3V_SENSOR on Top: 88.21,26.58 87.21,26.58 87.21,27.28 85.01,27.28 85.01,28.58 88.21,28.58
Board3_5-+3.3V_SENSOR on Top: 65.3,21.2 64.5,21.2 64.5,17.4 65.3,17.4
Board3_5-+3.3V_SENSOR on Top: 89.2,49.95 90.45,49.95 90.45,51.85 89.2,51.85
Board3_5-GND_SENSOR on Top: 89,43.1 89,43.8 88.7,44.3 88.7,45.2 89.7,45.2 89.7,44.3 89.4,43.8 89.4,43.1
Board3_5-GND_SENSOR on Top: 68.23,45.5 70.53,45.5 70.53,46.5 68.23,46.5
Board3_5-GND_SENSOR on Top: 71.5,56.43 71.5,58.73 70.5,58.73 70.5,56.43
Board3_5-GND_SENSOR on Top: 73.77,46.5 71.47,46.5 71.47,45.5 73.77,45.5
Board3_5-GND_SENSOR on Top: 64.3,37.1 63.5,37.1 63.5,28.1 64.3,28.1
Board3_5-GND_SENSOR on Top: 90.2,26.58 91.2,26.58 91.2,27.28 93.4,27.28 93.4,28.58 90.2,28.58
Board3_5-GND_SENSOR on Top: 65.85,37.52 65.85,35.22 66.85,35.22 66.85,37.52
Board3_5-GND_SENSOR on Top: 69.9,17.8 69.9,20.95 70.8,20.95 70.8,17.8
Board3_5-GND_SENSOR on Top: 85.01,30.18 87.01,30.18 87.01,28.98 85.01,28.98
Board3_5-GND_SENSOR on Top: 76.15,54.48 76.15,56.78 75.15,56.78 75.15,54.48
Board3_5-GND_SENSOR on Top: 63.5,17.7 64.3,17.7 64.3,26.7 63.5,26.7
Board3_5-GND_SENSOR on Top: 70.5,35.57 70.5,33.27 71.5,33.27 71.5,35.57
Board3_5-GND_SENSOR on Top: 75.15,37.52 75.15,35.22 76.15,35.22 76.15,37.52
Board3_5-GND_SENSOR on Top: 66.85,54.5 66.85,56.8 65.85,56.8 65.85,54.5
Board3_5-GND_SENSOR on Top, Bottom: 95,12 95,80 57,80 57,12
Board3_5-GND_SENSOR on In1.Cu, In2.Cu: 95,80 95,12 57,12 57,80

Small or netless copper shapes (teardrops, artwork), in the pictures only: 6 on Top, 6 on Bottom, 6 on In2.Cu

## Text on the board
B.Silkscreen: REV. ${PROJECT_REV}
User.Drawings: WIND FILTER | WIND FILTER SPACER | PCB SLOT | MOUNTING HOLES | BATTERY TAPE | RUBBERBANDS | MICROPHONE PERIMETER
F.Silkscreen: KLEINVOET [REV. C] - | Department of Electrical and Electronic Engineering - Stellenbosch University - 2023-07-04
